# KiCad board vme-wren.kicad_pcb (continued)
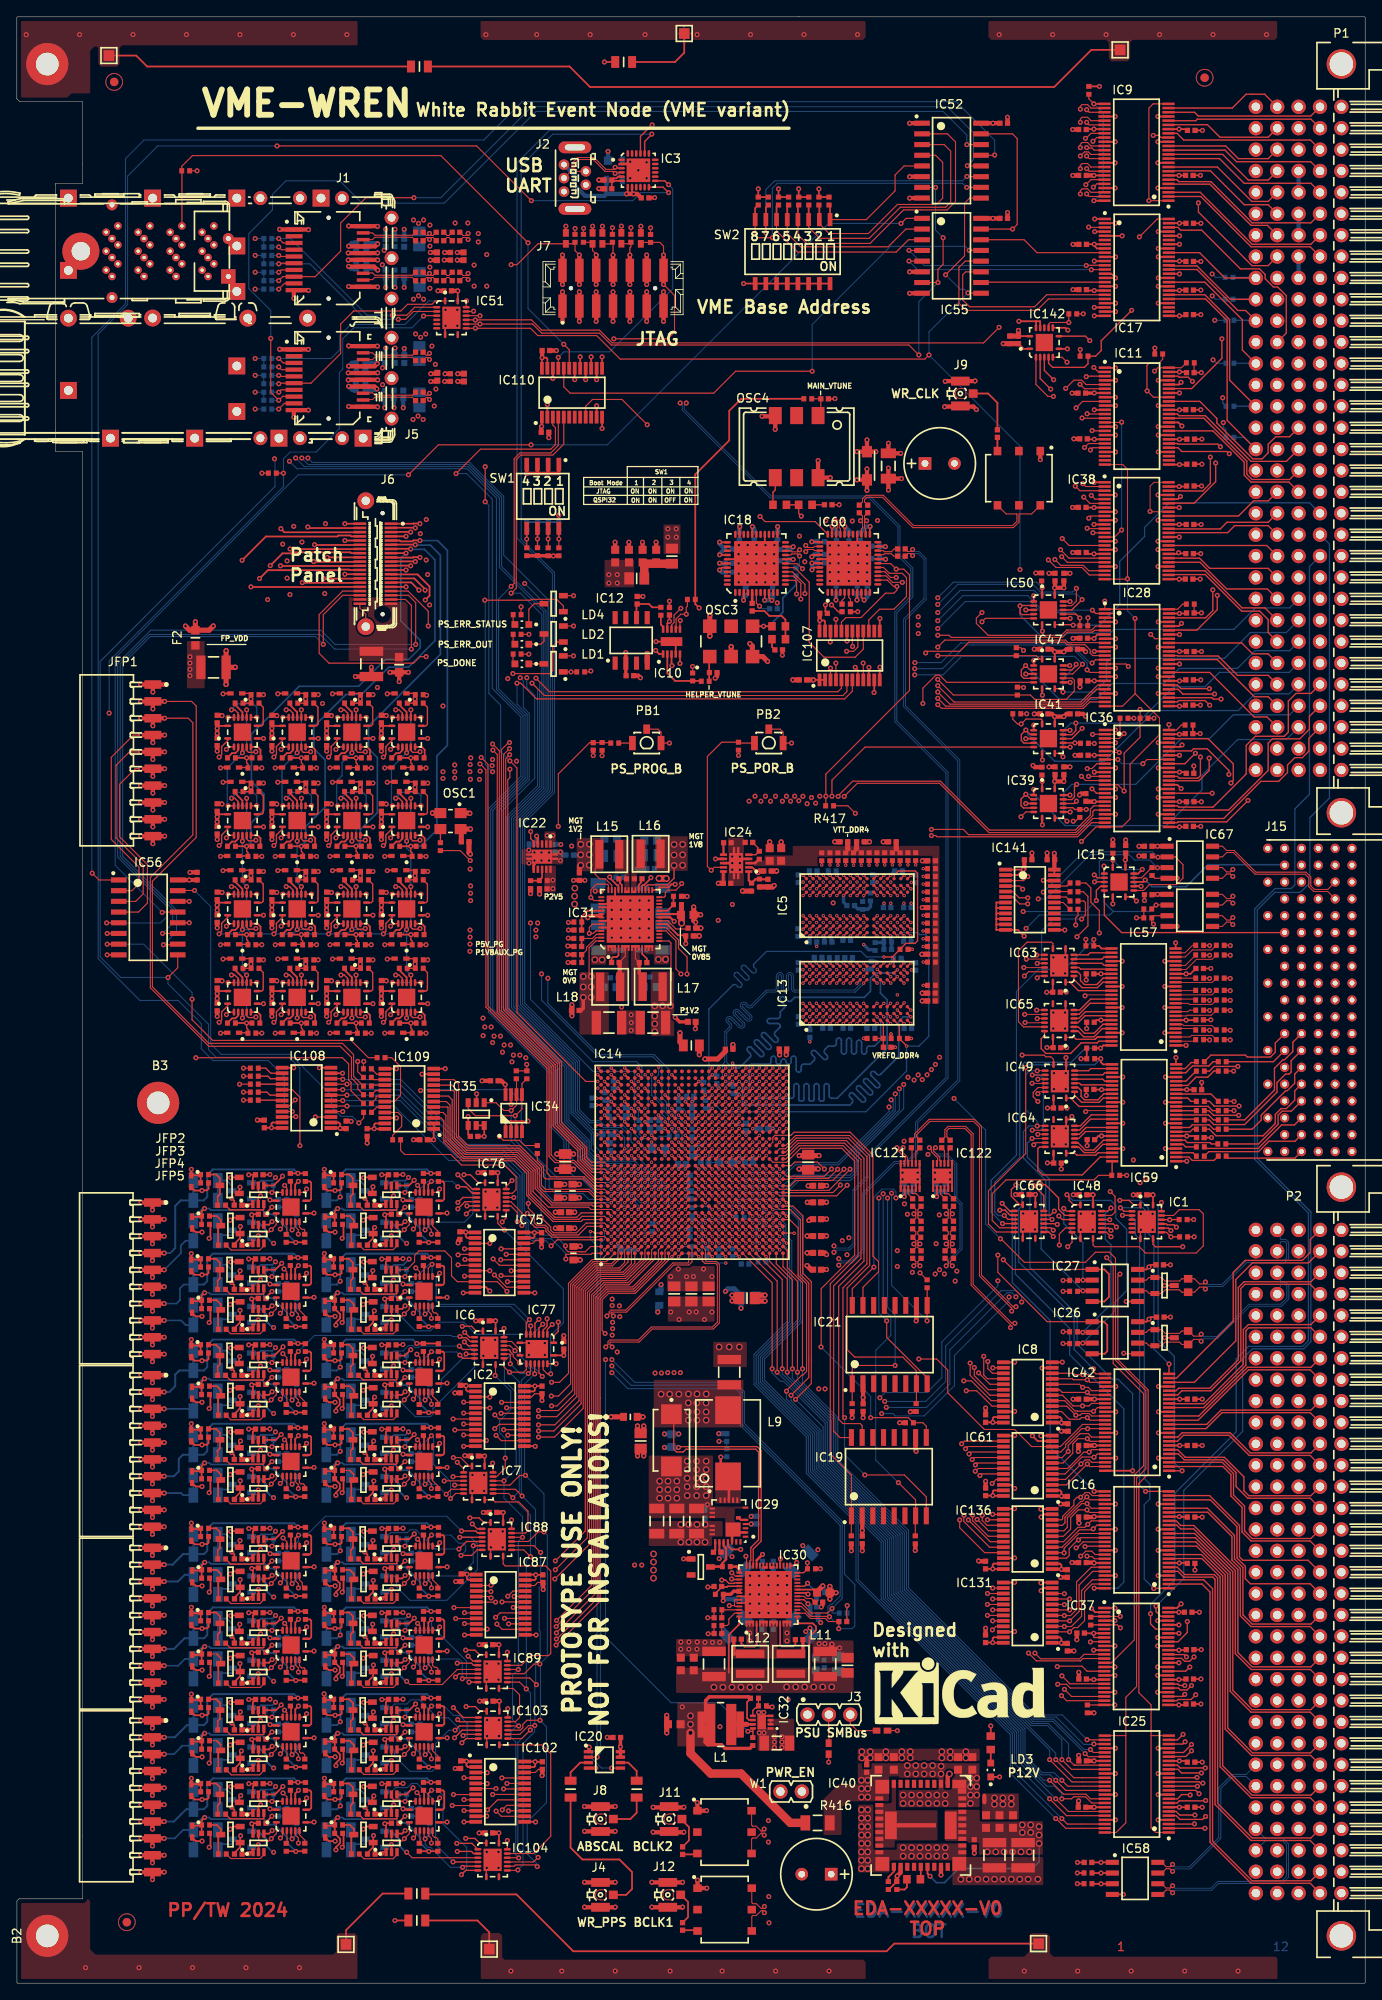
[diagram p0: board, top side]
## Routing (per net, layer and track width the routed paths; a pad name or vN(x,y) marks a point on that pad's centre or on a via; arc(x,y) is an arc through that point) (continued)
  Top Layer w0.3: v3(82.97,133.49) IC24.7 ; IC24.10 83.91,131.99 83.91,130.6 C132.2
  Top Layer w0.4: C63.1 127.94,188.79 v2(127.96,188.81) ; C268.2 71.68,29.15 v2(71.68,28.08) IC20.8 IC20.7 ; v2(53.88,137.03) 53.88,137.01 53.89,137 ; 52.68,138.9 OSC1.1 ; 79.44,124.42 v2(79.44,123.42) ; 67.94,27.49 67.94,27.99 v2(67.98,28.03)
  Top Layer w0.5: 36.79,148.14 C543.1 ; v2(43.21,72.15) 43.18,72.18 C419.2 ; C403.2 43.18,62.18 v2(43.21,62.15) ; C187.1 v2(124.35,165.67) v2(123.25,165.67) ; IC56.16 21.41,130.98 C279.1 ; 123.21,133.35 C546.1 ; 123.21,133.35 IC141.24 ; 123.21,133.35 v2(123.21,134.15) ; v2(27.42,30.04) 27.39,30.07 C463.2 ; C250.2 127.01,140.29 v2(127.96,140.29) ; v2(43.21,82.35) 43.18,82.38 C397.2 ; C512.2 v2(134.94,93.6) ; v2(43.22,30.04) 43.19,30.07 C509.2 ; C537.1 23.79,148.14 ; C464.1 v2(95.36,161.8) ; C173.1 122.93,158.39 v2(123.25,158.07) v2(124.35,158.07) 124.66,158.39 C168.1 ; C519.1 30.29,137.64 ; IC67.1 135.06,134.99 ; C531.1 23.79,127.14 ; C539.1 30.29,148.14 ; v2(49.15,191.08) 49.16,191.09 49.93,191.09 ; C459.2 v2(57.25,17.84) ; IC57.1 135.06,129.28 ; 43.29,148.14 C541.1 ; v2(43.22,50.34) 43.19,50.37 C435.2 ; C425.2 27.38,62.18 v2(27.41,62.15) ; v2(43.22,20.04) 43.19,20.07 C503.2 ; C190.2 27.38,92.38 v2(27.41,92.35) ; v2(27.41,82.35) 27.38,82.38 C210.2 ; v2(27.42,20.04) 27.39,20.07 C497.2 ; 30.29,116.64 C384.1 ; L7.1 100.96,183.23 v2(100.96,183.24) ; L7.1 99.77,181.84 v2(99.76,181.84) ; L7.1 102.01,181.84 v2(102.01,181.84) ; 51.55,191.08 v2(50.85,191.08) ; C354.1 v2(50.8,205.49) ; IC55.16 v2(115.93,209.54) C278.1 ; C142.1 v2(124.35,142.68) v2(123.25,142.68) ; 43.29,137.64 C523.1 ; C14.2 v2(56.85,78.64) ; C345.1 v2(52.36,200.93) ; C391.2 v2(120.96,93.63) ; 23.79,116.64 C386.1 ; v2(64.8,201.69) 64.8,201.69 J7.2 64.8,205.19 v2(64.8,205.19) ; C346.2 52.31,205.5 v2(52.3,205.49) ; C217.2 v2(127.81,93.61) ; 43.29,116.64 C380.1 ; C431.2 v2(57.25,40.19) ; v2(49.1,205.49) 49.11,205.5 C352.2 ; v2(27.42,50.34) 27.39,50.37 C447.2 ; C167.1 124.66,150.7 v2(124.35,150.38) v2(123.25,150.38) 122.93,150.7 C166.1 ; R264.2 v2(121.01,167.43) ; v2(43.21,92.35) 43.18,92.38 C164.2 ; C529.1 43.29,127.14 ; C533.1 30.29,127.14 ; C382.1 36.79,116.64 ; C453.2 43.19,40.37 v2(43.22,40.34) ; C517.1 36.79,137.64 ; C186.1 123.3,165.72 ; C141.1 123.3,142.73 ; C527.1 36.79,127.14 ; C413.2 27.38,72.18 v2(27.41,72.15) ; v2(120.68,144.58) 120.88,144.38 R102.2 ; C441.2 27.39,40.37 v2(27.42,40.34) ; 23.79,137.64 C521.1 ; C456.2 v2(57.3,33.49) ; C114.2 131.69,133.41 ; IC52.16 v2(115.93,220.84) C277.1 ; R260.2 v2(130.16,135.76) ; C486.1 v2(62.38,193) ; v2(52.35,190.18) 52.36,190.17 C6.2 ; C428.2 v2(57.75,55.89) ; C24.2 v2(55.55,62.59) ; C406.2 v2(57.11,96.23) ; C409.2 v2(64.95,74.54)
  Top Layer w0.6: C549.1 C548.1 v2(118.96,196.23) ; v2(53.8,138.89) 53.76,138.93 OSC1.1 ; C118.2 52.79,135.54 52.79,136.94 OSC1.4 v2(53.88,137.03) ; v2(63.95,89.64) C26.2 ; v3(93.98,94.67) C137.2 ; 83.31,130.59 83.9,130.59 ; C58.2 93.88,92.71 v3(93.88,92.71) ; 64.39,94.85 v2(65.06,94.85)
  L6PWR w0.6: 78.94,100.66 78.95,100.66 v1(79.39,100.66)
  Bottom Layer w0.125: R395.2 v2(28.3,201.14) ; 143.26,185.27 v2(143.28,185.29) 143.28,184.75 143.59,184.44 ; v2(142.26,197.44) R59.2 ; 29.33,187.9 R18.2 v2(28.3,188.9) ; 143.26,188.18 v2(143.21,188.24) ; R30.2 R254.2 v2(28.3,192.9) ; R55.2 142.36,202.54 v2(141.96,202.94) ; v2(28.3,207.14) R390.2 R389.2 ; v2(142.06,192.74) 142.46,192.34 R60.2 ; R255.2 R31.2 v2(28.3,190.9) ; v2(28.3,205.14) R391.2 R392.2 ; R17.2 v2(28.3,186.9) ; v2(28.3,203.14) R393.2 R394.2 ; R56.2 142.36,199.94 v2(141.96,200.34)
  Bottom Layer w0.15: R67.2 143.59,184.44 ; v2(143.21,188.24) 143.21,187.62 R61.2
  Bottom Layer w0.2: R388.2 49.01,62.49 48.65,62.84 C400.1 46.25,62.84 46.2,62.8 v2(45.86,62.8) 45.33,63.33 R141.2 ; R585.2 33.21,72.49 32.85,72.84 C411.1 30.45,72.84 30.4,72.8 v2(30.06,72.8) 29.53,73.33 R154.2 ; R10.2 45.33,93.53 v2(45.86,93) 46.2,93 46.25,93.04 C47.1 48.65,93.04 49.01,92.69 R6.2 ; R128.2 64.34,173.48 R7.2 v2(64.35,174.29) ; R301.2 45.34,21.22 v2(45.87,20.69) 46.21,20.69 46.26,20.74 C500.1 48.66,20.74 49.02,20.38 R594.2 ; R587.2 33.21,62.49 32.85,62.84 C423.1 30.45,62.84 30.4,62.8 v2(30.06,62.8) 29.53,63.33 R177.2 ; R155.2 45.33,73.33 v2(45.86,72.8) 46.2,72.8 46.25,72.84 C418.1 48.65,72.84 49.01,72.49 R586.2 ; R288.2 29.54,21.22 v2(30.07,20.69) 30.41,20.69 30.46,20.74 C496.1 32.86,20.74 33.22,20.38 R593.2 ; R140.2 45.33,83.53 v2(45.86,83) 46.2,83 46.25,83.04 C395.1 48.65,83.04 49.01,82.69 R203.2 ; v2(108.45,12.69) 109.2,11.94 110.18,11.94 111.85,13.61 120.63,13.61 121.4,14.39 v4(121.4,16.59) ; R196.2 29.54,41.52 v2(30.07,40.99) 30.41,40.99 30.46,41.04 C439.1 32.86,41.04 33.22,40.68 R589.2 ; R588.2 49.02,50.68 48.66,51.04 C433.1 46.26,51.04 46.21,50.99 v2(45.87,50.99) 45.34,51.52 R178.2 ; R48.2 29.53,93.53 v2(30.06,93) 30.4,93 30.45,93.04 C176.1 32.85,93.04 33.21,92.69 R197.2 ; R25.2 98.61,42.95 v2(98.61,44.84) ; R274.2 45.34,41.52 v2(45.87,40.99) 46.21,40.99 46.26,41.04 C450.1 48.66,41.04 49.02,40.68 R591.2 ; R595.2 49.02,30.38 48.66,30.74 C508.1 46.26,30.74 46.21,30.69 v2(45.87,30.69) 45.34,31.22 R302.2 ; R287.2 29.54,31.22 v2(30.07,30.69) 30.41,30.69 30.46,30.74 C460.1 32.86,30.74 33.22,30.38 R592.2 ; R273.2 29.54,51.52 v2(30.07,50.99) 30.41,50.99 30.46,51.04 C446.1 32.86,51.04 33.22,50.68 R590.2 ; R198.2 33.21,82.69 32.85,83.04 C207.1 30.45,83.04 30.4,83 v2(30.06,83) 29.53,83.53 R49.2
  Bottom Layer w0.4: C108.2 70.59,98.7 v1(70.59,98.26) ; C101.2 76.38,101.46 v1(76.99,101.46) ; R9.2 78.59,105.45 v1(78.6,105.46) ; v1(74.59,102.26) 74.99,102.26 C119.2
  Bottom Layer w0.5: 105.44,93.39 C491.1 C490.2 ; v2(93.96,45.04) 94.24,44.76 C348.2 ; v2(109.24,93.39) C297.1 C274.2 ; C213.2 64.59,135.21 v3(64.6,135.19)
  vias: v1(69.79,95.86) v1(72.19,94.26) v1(72.99,96.66) v1(77.79,99.86) v1(85.79,96.66) v1(87.39,93.46) v1(88.19,95.86) v1(90.59,95.06) v2(23.79,148.99) v2(23.79,148.39) v2(23.79,138.49) v2(23.79,137.89) v2(23.79,127.99) v2(23.79,127.39) v2(23.79,117.49) v2(23.79,116.89) v2(30.29,148.99) v2(30.29,148.39) v2(30.29,138.49) v2(30.29,137.89) v2(30.29,127.99) v2(30.29,127.39) v2(30.29,117.49) v2(30.29,116.89) v2(36.79,148.99) v2(36.79,148.39) v2(36.79,138.49) v2(36.79,137.89) v2(36.79,127.99) v2(36.79,127.39) v2(36.79,117.49) v2(36.79,116.89) v2(43.29,148.99) v2(43.29,148.39) v2(43.29,138.49) v2(43.29,137.89) v2(43.29,127.99) v2(43.29,127.39) v2(43.29,117.49) v2(43.29,116.89) v2(47.1,209.34) v2(47.1,199.94) v2(47.05,185.66) v2(47.35,195.81) v2(47.7,208.94) v2(47.7,200.34) v2(47.65,186.06) v2(47.95,195.41) v2(48.3,209.34) v2(48.3,199.94) v2(48.25,185.66) v2(48.55,195.81) v2(49.05,201.24) v2(77.31,172.69) v2(77.31,171.69) v2(78.31,172.69) v2(78.31,171.69) v2(135.46,134.99) v2(135.46,129.28) v3(62.99,136.26) v3(63.66,136.26) v3(83.31,130.59) v4(115.25,15.59) v4(116.25,15.59) v4(117.25,15.59) v4(118.25,15.59) v4(119.25,15.59) v4(119.4,18.79) v4(119.4,17.89) v4(120.25,15.59) v4(120.4,18.79) v4(120.4,17.89) v4(121.4,18.59) v4(121.4,17.59)
P3V3_CLK: length 37.9
  Top Layer w0.2: v2(100.63,164.21) 100.3,164.53 IC60.9 ; IC60.34 95.3,171.14 v2(94.4,171.14) ; IC10.5 78.75,156.69 v2(78.75,156.69) ; IC18.37 83.48,169.57 v2(83.46,169.59) ; v2(88.8,164.2) 88.83,164.22 IC18.8 ; IC18.29 87.33,172.91 v2(87.35,172.94) ; v2(94.41,169.36) 94.64,169.59 IC60.37 ; IC18.18 92.17,169.07 v2(92.2,169.04) ; v2(97.28,164.22) 97.3,164.24 IC60.3 ; v2(98.33,172.96) 98.3,172.93 IC60.29 ; v2(86.3,164.2) 86.33,164.22 IC18.3 ; IC18.9 89.33,164.51 v2(89.65,164.19) ; v2(90.35,172.94) 90.33,172.91 IC18.23 ; v2(101.33,172.96) 101.3,172.93 IC60.23 ; v2(83.46,171.09) 83.48,171.07 IC18.34 ; IC60.8 99.8,164.24 v2(99.78,164.22) ; IC60.18 103.15,169.09 v2(103.17,169.06) ; IC10.9 77.25,161.44 v2(77.5,161.69) C260.2
  Top Layer w0.4: C77.2 72.32,155.27 IC12.2 72.32,157.97 v2(72.3,157.99)
  Top Layer w0.6: 84.84,158.69 v2(84.84,158.69) OSC3.2 ; v2(82.31,162.44) 82.3,162.42 OSC3.6 82.3,159.95 v2(82.31,159.94)
  Bottom Layer w0.5: v2(90.35,172.94) 90.36,172.93 C68.2 ; C264.2 100.15,172.19 100.92,172.96 v2(101.33,172.96) ; C267.2 86.3,164.58 v2(86.3,164.2) ; v2(88.8,164.2) 89.64,164.2 v2(89.65,164.19) 89.76,164.3 C262.2 ; C258.2 99.8,164.24 v2(99.78,164.22) ; C259.2 94.69,169.64 v2(94.41,169.36) ; C256.2 101,164.58 v2(100.63,164.21) ; v2(87.35,172.94) 87.56,172.73 C69.2 ; 97.3,164.79 97.28,164.76 v2(97.28,164.22) ; v2(83.46,169.59) 83.46,169.68 C218.2 83.46,170.89 v2(83.46,171.09) ; C122.2 98.82,172.47 v2(98.33,172.96) ; C255.2 102.53,169.06 v2(103.17,169.06) ; v2(94.4,171.14) C121.2 ; C261.2 91.72,169.04 v2(92.2,169.04)
  vias: v2(70.3,167.24) v2(70.3,166.24) v2(71.3,167.24) v2(71.3,166.24)
P3V3_VME: length 54.9
  L8 w0.5: P1.D12 148.39,193.59 148.39,191.01 P1.D14 148.39,188.51 148.39,185.93 P1.D16 148.39,183.43 148.39,180.85 P1.D18 148.37,178.38 148.37,175.75 P1.D20 148.37,173.3 148.37,170.67 P1.D22 148.37,168.22 148.37,165.59 P1.D24 148.37,163.14 148.37,160.51 P1.D26 148.37,158.06 148.37,155.43 P1.D28 148.37,152.98 148.37,150.35 P1.D30
P5V_VME: length 8
  Top Layer w0.5: F1.1 v2(45.4,154.54) ; F1.1 v2(46.5,155.64) ; F1.1 v2(44.3,155.64)
  Top Layer w0.6: F2.1 v2(21.2,161.64) ; F2.1 20.52,160.64 v2(20.03,161.13) ; F2.1 22.83,160.64 v2(23.33,161.14)
  vias: v2(107.05,162.24) v2(107.05,161.24) v2(107.05,160.24) v4(100.3,24.09) v4(100.3,23.09) v4(100.3,22.09) v4(101.05,24.09) v4(101.05,23.09) v4(101.05,22.09) v4(105.25,22.34) v4(105.25,21.34) v4(105.75,25.84) v4(105.75,24.84) v4(106.25,22.34) v4(106.25,21.34) v4(106.75,25.84) v4(106.75,24.84) v4(107.25,22.34) v4(107.25,21.34) v4(107.75,25.84) v4(107.75,24.84) v4(108.25,22.34) v4(108.25,21.34) v4(108.75,25.84) v4(108.75,24.84) v4(109.25,22.34) v4(109.25,21.34) v4(109.76,25.76) v4(109.75,24.84) v4(110.25,22.34) v4(110.25,21.34) v4(113.25,24.34) v4(113.25,23.34) v4(113.25,22.34) v4(113.25,21.34) v4(114,24.34) v4(114,23.34) v4(114,22.34)
P12V: length 12.1
  Top Layer w0.15: IC32.2 IC32.3
  Top Layer w0.2: R251.1 v2(115.66,30.54) ; IC30.32 90.65,50.35 v2(90.69,50.39) ; v2(75.29,131.26) 75.29,131.19 74.46,130.35 74.32,130.35 74.25,130.29 IC31.32 ; IC31.39 71.44,129.79 71.44,130.3 71.39,130.35 71.3,130.35 70.41,131.24 v2(70.41,131.34) ; IC30.39 87.85,50.2
  Top Layer w0.3: 87.85,50.2 v2(88.55,50.9)
  Top Layer w0.8: v4(77.13,131.16) 76.28,131.16 v4(76.27,131.17) ; v4(77.05,121.57) 77.04,121.56
  Bottom Layer w0.6: v2(69.4,129.65) 69.4,130.26 C338.1 68.69,130.28 v2(68.69,129.66) ; C171.1 v4(81.73,54.46)
  vias: v2(83.41,50.4) v2(84.94,50.65) v2(87.03,41.58) v2(87.04,40.65) v2(90.86,29.26) v2(90.86,28.63) v2(90.86,27.99) v2(91.47,41.59) v2(91.47,40.64) v2(93.34,51.95) v2(93.69,41.75) v2(94.19,42.17) v2(95.14,51.46) v4(68.65,121.51) v4(69.5,121.5) v4(76.19,121.56) v4(78.85,54.46) v4(78.85,52.36) v4(79.81,54.46) v4(79.81,52.36) v4(80.77,54.46) v4(80.77,52.36) v4(81.73,52.36)
VCC_PSADC: length 16.1
  Top Layer w0.2: IC14.Y20 84.98,102.26 ; 79.4,95.07 IC14.P12
  L3 w0.2: v1(79.39,95.06) 79.8,95.47 79.8,96.9 79.79,96.91 79.79,100.83 80.82,101.86 IC14.Y20 v1(84.99,102.26)
  L3 w0.4: v1(76.99,98.26) 76.99,98.24
  Bottom Layer w0.2: 86.59,101.92 86.53,101.86 85.39,101.86 v1(84.99,102.26)
  Bottom Layer w0.4: C98.2 79.97,95.06 v1(79.39,95.06) ; L6.2 76.99,99.05 v1(76.99,98.26)
VCC_PSDDR_PLL: length 4.2
  Top Layer w0.2: IC14.U16 82.58,99.06 ; IC14.U18 82.58,100.66
  Bottom Layer w0.125: v1(82.59,99.06) 82.18,98.65 82.18,97.5 C32.2 L5.2
  vias: v1(82.59,100.66)
VCC_PSPLL: length 12
  Top Layer w0.2: 94.96,46.41 94.96,46.73 IC30.23 ; IC14.T17 81.78,99.86 ; IC14.T18 81.78,100.66 ; IC14.T16 81.78,99.06
  Top Layer w0.6: v2(84.94,81.01) 85.49,81.01 C83.2 85.46,81.69 v2(84.94,81.69) ; 94.96,46.41 v2(95.72,47.17)
  Bottom Layer w0.125: v1(81.79,99.06) 81.4,99.45 80.52,99.45 C84.2
  Bottom Layer w0.2: R206.2 95.93,46.95 v2(95.72,47.17) ; v1(81.79,99.86) IC14.T17 80.82,99.46 80.74,99.38 80.45,99.38 C84.2
  vias: v1(81.79,100.66)
/clocks/FPGA-PL_CLKSYS_N: length 124.8
  Top Layer w0.115: IC60.31 97.3,172.68 97.43,172.81 97.43,173.4 v2(97.19,173.64) ; 70.6,88.67 IC14.C4
  L3 w0.1: v1(70.59,88.66) 69.72,88.66 67.71,90.67 66.06,90.67 59.53,97.19 59.53,101.09 57.18,103.44 57.18,112.19 v2(57.43,112.44)
  L10 w0.1: v2(97.19,173.64) 97.42,173.87 97.42,174.44 96.65,175.21 85.86,175.21 81.83,171.19 81.83,158.59 78.76,155.51 71.86,155.51 61.38,145.04 61.38,144.04 57.18,139.84 57.18,112.69 v2(57.43,112.44)
/clocks/FPGA-PL_CLKSYS_P: length 127.1
  Top Layer w0.115: IC60.30 97.8,172.68 97.67,172.81 97.67,173.4 v2(97.92,173.64) ; 71.4,88.67 IC14.D4
  L3 w0.1: v1(71.39,88.66) 71.13,88.4 70.86,88.4 70.75,88.29 70.44,88.29 70.32,88.4 69.61,88.4 67.6,90.41 65.95,90.41 59.27,97.09 59.27,100.99 56.92,103.34 56.92,112.19 v2(56.67,112.44)
  L10 w0.1: v2(97.92,173.64) 97.68,173.87 97.68,174.54 96.76,175.47 85.75,175.47 81.57,171.29 81.57,158.69 78.65,155.77 71.75,155.77 61.12,145.14 61.12,144.14 56.92,139.94 56.92,112.69 v2(56.67,112.44)
/clocks/FPGA-PS_CLKREF: length 55.2
  Top Layer w0.125: v2(53.84,133.29) 52.67,134.47 R27.2
  Top Layer w0.2: IC14.R16 80.98,99.06
  L3 w0.125: v2(61,125.88) 58.57,128.31 58.57,128.62 53.9,133.29 v2(53.84,133.29)
  L5 w0.125: v1(73.8,107.06) 74.2,106.66 74.2,106.12 75.02,105.3 75.02,104.5 75.54,103.98 75.54,101.56 77.63,99.47 80.58,99.47 v1(80.99,99.06)
  Bottom Layer w0.125: v2(61,125.88) 61,116.8 68.39,109.41 73.59,109.41 74.23,108.78 74.23,107.48 v1(73.8,107.06)
/clocks/PLLDAC_OUT1: length 3.2
  Top Layer w0.125: OSC4.1 95.48,186.45 C76.2 R58.2
/clocks/PLLDAC_OUT2: length 3
  Top Layer w0.2: OSC3.1 82.22,157.44 R57.2
/clocks/TRAFO1_N: length 25
  Top Layer w0.115: C248.1 100.67,175.87 100.67,176.14 100.95,176.42 102.8,176.42 106.4,172.82 118.35,172.82 119.01,173.47 119.01,174.44 120.52,174.44 TR2.6
/clocks/TRAFO1_P: length 24.7
  Top Layer w0.115: C246.1 100.43,175.87 100.43,176.24 100.85,176.66 102.9,176.66 106.5,173.06 118.25,173.06 118.77,173.57 118.77,174.42 118.75,174.45 117.49,174.45 TR2.4
/clocks/WR_CLK_SFP_AC_N: length 2.5
  Top Layer w0.115: IC60.19 102.89,169.59 103.02,169.72 103.85,169.72 104.14,169.43 C266.2
/clocks/WR_CLK_SFP_AC_P: length 2.5
  Top Layer w0.115: C265.2 104.18,170.29 103.85,169.96 103.02,169.96 102.89,170.09 IC60.20
/DDR4-PS.A0: length 62.7
  Top Layer w0.15: IC14.W28 84.18,108.66 ; IC13.P3 v1(104.56,116.34) ; IC5.P3 v1(104.58,126.74)
  Top Layer w0.16: v1(107.63,125.86) R70.1
  L3 w0.11: v1(104.56,116.34) 104.18,116.72 104.18,118.28 arc(104.24,118.43) 104.39,118.49 104.52,118.49 arc(104.66,118.55) 104.73,118.7 arc(104.66,118.85) 104.52,118.91 104.39,118.91 arc(104.24,118.97) 104.18,119.12 104.18,120.53 arc(104.24,120.68) 104.39,120.74 104.52,120.74 arc(104.66,120.8) 104.73,120.95 arc(104.66,121.1) 104.52,121.16 104.39,121.16 arc(104.24,121.22) 104.18,121.37 arc(104.24,121.52) 104.39,121.58 104.62,121.58 arc(104.76,121.64) 104.83,121.79 arc(104.76,121.94) 104.62,122 104.39,122 arc(104.24,122.06) 104.18,122.21 arc(104.24,122.36) 104.39,122.42 104.62,122.42 arc(104.76,122.48) 104.83,122.63 arc(104.76,122.78) 104.62,122.84 104.39,122.84 arc(104.24,122.9) 104.18,123.05 arc(104.24,123.2) 104.39,123.26 104.62,123.26 arc(104.76,123.32) 104.83,123.47 arc(104.76,123.62) 104.62,123.68 104.39,123.68 arc(104.24,123.74) 104.18,123.89 IC5.P3 v1(104.58,126.74) 105.09,127.25 106.24,127.25 v1(107.63,125.86)
  L8 w0.11: v1(84.19,108.66) 84.59,108.26 84.59,103.72 84.83,103.48 86.79,103.48 87.61,102.66 92.03,102.66 arc(92.16,102.72) 92.22,102.86 arc(92.28,102.99) 92.41,103.05 92.45,103.05 arc(92.59,102.99) 92.65,102.86 92.65,102.47 arc(92.7,102.33) 92.84,102.27 92.87,102.27 arc(93.01,102.33) 93.07,102.47 93.07,102.86 arc(93.12,102.99) 93.26,103.05 93.29,103.05 arc(93.43,102.99) 93.49,102.86 93.49,102.47 arc(93.54,102.33) 93.68,102.27 93.71,102.27 arc(93.85,102.33) 93.91,102.47 93.91,102.86 arc(93.96,102.99) 94.1,103.05 94.13,103.05 arc(94.27,102.99) 94.33,102.86 94.33,102.47 arc(94.38,102.33) 94.52,102.27 94.55,102.27 arc(94.69,102.33) 94.75,102.47 94.75,102.86 arc(94.8,102.99) 94.94,103.05 94.97,103.05 arc(95.11,102.99) 95.17,102.86 95.17,102.47 arc(95.22,102.33) 95.36,102.27 95.39,102.27 arc(95.53,102.33) 95.59,102.47 95.59,102.86 arc(95.64,102.99) 95.78,103.05 95.81,103.05 arc(95.95,102.99) 96.01,102.86 96.01,102.47 arc(96.06,102.33) 96.2,102.27 96.23,102.27 arc(96.37,102.33) 96.43,102.47 96.43,102.86 arc(96.48,102.99) 96.62,103.05 96.65,103.05 arc(96.79,102.99) 96.85,102.86 arc(96.9,102.72) 97.04,102.66 97.63,102.66 103.96,108.99 103.96,111.75 104.18,111.97 104.18,115.95 v1(104.56,116.34)
/DDR4-PS.A1: length 61.4
  Top Layer w0.15: IC13.P7 104.53,119.5 v1(104.57,119.5) ; IC14.Y28 84.98,108.66 ; IC5.P7 v1(104.58,129.14)
  Top Layer w0.16: v1(103.99,132.77) R71.1
  L3 w0.11: v1(103.99,132.77) 103.99,131.88 104.98,130.89 104.98,129.54 v1(104.58,129.14)
  L8 w0.11: v1(104.57,119.5) 104.18,119.89 arc(104.13,120.01) 104.01,120.06 arc(103.9,120.11) 103.85,120.22 103.85,120.31 arc(103.9,120.43) 104.01,120.48 arc(104.13,120.53) 104.18,120.64 104.18,120.73 arc(104.23,120.87) 104.37,120.92 arc(104.5,120.98) 104.56,121.11 104.56,121.15 arc(104.5,121.29) 104.37,121.34 arc(104.23,121.4) 104.18,121.53 104.18,121.57 arc(104.23,121.71) 104.37,121.76 arc(104.5,121.82) 104.56,121.95 104.56,122 arc(104.5,122.14) 104.37,122.19 104.06,122.19 arc(103.98,122.23) 103.94,122.31 103.94,122.49 arc(103.98,122.58) 104.06,122.61 104.37,122.61 arc(104.51,122.67) 104.56,122.8 104.56,122.84 arc(104.51,122.98) 104.37,123.03 104.04,123.03 arc(103.93,123.07) 103.89,123.17 103.89,123.31 arc(103.93,123.41) 104.04,123.45 104.37,123.45 arc(104.51,123.51) 104.56,123.64 104.56,123.68 arc(104.51,123.82) 104.37,123.87 arc(104.23,123.93) 104.18,124.06 104.18,126.91 arc(104.23,127.05) 104.37,127.1 arc(104.5,127.16) 104.56,127.29 104.56,127.34 arc(104.5,127.48) 104.37,127.53 104.09,127.53 arc(104.02,127.56) 104,127.62 104,127.86 arc(104.02,127.93) 104.09,127.95 arc(104.15,127.98) 104.18,128.04 104.18,128.74 v1(104.58,129.14)
  Bottom Layer w0.2: v1(84.99,108.66) 85.8,108.66 87.09,109.95 arc(87.18,110.17) 87.09,110.38 86.81,110.66 arc(86.72,110.87) 86.81,111.08 arc(87.02,111.17) 87.23,111.08 88.22,110.09 arc(88.43,110.01) 88.65,110.09 arc(88.73,110.31) 88.65,110.52 87.66,111.51 arc(87.57,111.72) 87.66,111.93 arc(87.87,112.02) 88.08,111.93 89.07,110.94 arc(89.28,110.86) 89.49,110.94 arc(89.58,111.16) 89.49,111.37 88.5,112.36 arc(88.42,112.57) 88.5,112.78 arc(88.72,112.87) 88.93,112.78 89.92,111.79 arc(90.13,111.7) 90.34,111.79 arc(90.43,112) 90.34,112.22 90.06,112.5 arc(89.97,112.71) 90.06,112.92 90.67,113.53 90.67,113.64 arc(90.58,113.85) 90.37,113.94 89.41,113.94 arc(89.2,114.03) 89.11,114.24 arc(89.2,114.45) 89.41,114.54 90.37,114.54 arc(90.58,114.63) 90.67,114.84 90.67,115.33 91.13,115.79 arc(91.22,116.01) 91.13,116.22 90.73,116.62 arc(90.65,116.83) 90.73,117.04 arc(90.95,117.13) 91.16,117.04 91.55,116.64 arc(91.77,116.55) 91.98,116.64 92.38,117.05 100.65,117.05 101.38,117.77 101.38,119.32 102,119.94 104.13,119.94 v1(104.57,119.5)
/DDR4-PS.A2: length 63
  Top Layer w0.15: v1(105.38,116.39) 105.38,116.35 IC13.R3 ; IC14.AB28 86.58,108.66 ; IC5.R3 v1(105.38,126.74)
  Top Layer w0.16: v1(107.64,124.01) R72.1
  L3 w0.11: v1(105.38,116.39) 105.8,116.82 105.8,118.34 arc(105.87,118.49) 106.01,118.55 106.21,118.55 arc(106.36,118.61) 106.42,118.76 arc(106.36,118.91) 106.21,118.97 106.01,118.97 arc(105.87,119.03) 105.8,119.18 arc(105.87,119.33) 106.01,119.39 106.21,119.39 arc(106.36,119.45) 106.42,119.6 arc(106.36,119.75) 106.21,119.81 106.01,119.81 arc(105.87,119.87) 105.8,120.02 105.8,120.49 105.58,120.71 105.28,120.71 104.98,121.01 104.98,121.28 arc(105.04,121.43) 105.19,121.49 105.29,121.49 arc(105.44,121.55) 105.5,121.7 arc(105.44,121.85) 105.29,121.91 105.19,121.91 arc(105.04,121.97) 104.98,122.12 arc(105.04,122.27) 105.19,122.33 105.29,122.33 arc(105.44,122.39) 105.5,122.54 arc(105.44,122.69) 105.29,122.75 105.19,122.75 arc(105.04,122.81) 104.98,122.96 arc(105.04,123.11) 105.19,123.17 105.29,123.17 arc(105.44,123.23) 105.5,123.38 arc(105.44,123.53) 105.29,123.59 105.19,123.59 arc(105.04,123.65) 104.98,123.8 IC5.R3 v1(105.38,126.74) 105.99,126.74 106.97,125.76 106.97,124.34 107.25,124.06 107.59,124.06 v1(107.64,124.01)
  L10 w0.11: v1(105.38,116.39) 104.92,115.94 104.35,115.94 104.15,115.74 104.15,115.38 103.92,115.15 101.69,115.15 101.18,115.66 101.18,116.26 100.39,117.06 97.54,117.06 96.15,118.45 96.15,121.3 95.71,121.74 91.6,121.74 91.23,121.36 arc(91.17,121.22) 91.23,121.07 91.28,121.01 arc(91.34,120.87) 91.28,120.72 arc(91.13,120.66) 90.98,120.72 90.58,121.12 arc(90.43,121.18) 90.29,121.12 arc(90.22,120.97) 90.29,120.82 90.69,120.42 arc(90.75,120.27) 90.69,120.12 arc(90.54,120.06) 90.39,120.12 89.99,120.53 arc(89.84,120.59) 89.69,120.53 arc(89.63,120.38) 89.69,120.23 90.09,119.83 arc(90.16,119.68) 90.09,119.53 arc(89.95,119.47) 89.8,119.53 89.39,119.93 arc(89.25,119.99) 89.1,119.93 arc(89.04,119.78) 89.1,119.63 89.5,119.23 arc(89.56,119.08) 89.5,118.94 arc(89.35,118.87) 89.2,118.94 88.8,119.34 arc(88.65,119.4) 88.5,119.34 arc(88.44,119.19) 88.5,119.04 88.91,118.64 arc(88.97,118.49) 88.91,118.34 arc(88.76,118.28) 88.61,118.34 88.56,118.39 arc(88.41,118.46) 88.26,118.39 87.78,117.91 87.78,109.85 v1(86.59,108.66)
/DDR4-PS.A3: length 62.8
  Top Layer w0.125: v1(85,109.24) 85.39,108.85 IC14.AA28
  Top Layer w0.15: IC5.N7 v1(103.78,129.14) ; v1(103.79,118.74) 103.39,119.14 IC13.N7
  Top Layer w0.16: v1(102.15,132.77) R73.1
  L5 w0.11: v1(103.78,129.14) IC5.N7 103.38,130.11 103.12,130.37 102.82,130.37 102.62,130.58 102.62,132.3 v1(102.15,132.77)
  L8 w0.11: v1(103.78,129.14) 103.37,128.73 103.37,123.71 arc(103.41,123.62) 103.5,123.58 arc(103.59,123.54) 103.63,123.45 103.63,123.29 arc(103.59,123.2) 103.5,123.16 103.16,123.16 arc(103.01,123.1) 102.95,122.95 arc(103.01,122.8) 103.16,122.74 103.53,122.74 arc(103.64,122.7) 103.68,122.59 103.68,122.45 arc(103.64,122.34) 103.53,122.3 arc(103.42,122.25) 103.37,122.15 arc(103.44,122) 103.58,121.94 103.64,121.94 arc(103.78,121.87) 103.85,121.73 arc(103.78,121.58) 103.64,121.52 103.58,121.52 arc(103.44,121.45) 103.37,121.31 103.37,120.84 arc(103.31,120.69) 103.16,120.63 103.11,120.63 arc(102.96,120.56) 102.9,120.42 arc(102.96,120.27) 103.11,120.21 103.51,120.21 arc(103.6,120.17) 103.64,120.07 103.64,119.92 arc(103.6,119.82) 103.51,119.79 103.11,119.79 arc(102.96,119.72) 102.9,119.58 arc(102.96,119.43) 103.11,119.37 103.16,119.37 arc(103.31,119.3) 103.37,119.16 v1(103.79,118.74)
  L10 w0.11: v1(103.79,118.74) 103.38,119.15 102.82,119.15 102.55,118.87 102.55,118.57 102.32,118.35 101.9,118.35 101.21,119.04 101.21,119.64 100.9,119.95 100.4,119.95 100.17,120.17 100.17,122.12 98.81,123.49 88.6,123.49 85.4,120.29 85.4,116.97 arc(85.35,116.84) 85.22,116.78 arc(85.08,116.73) 85.03,116.59 85.03,116.55 arc(85.08,116.42) 85.22,116.36 85.49,116.36 arc(85.56,116.33) 85.58,116.27 85.58,116.03 arc(85.56,115.97) 85.49,115.94 85.22,115.94 arc(85.08,115.89) 85.03,115.75 85.03,115.71 arc(85.08,115.58) 85.22,115.52 85.59,115.52 arc(85.73,115.47) 85.78,115.33 85.78,115.29 arc(85.73,115.16) 85.59,115.1 85.22,115.1 arc(85.08,115.05) 85.03,114.91 85.03,114.87 arc(85.08,114.74) 85.22,114.68 85.59,114.68 arc(85.73,114.63) 85.78,114.49 85.78,114.45 arc(85.73,114.32) 85.59,114.26 85.22,114.26 arc(85.08,114.21) 85.03,114.07 85.03,114.03 arc(85.08,113.9) 85.22,113.84 85.59,113.84 arc(85.73,113.79) 85.78,113.65 85.78,113.61 arc(85.73,113.48) 85.59,113.42 85.22,113.42 arc(85.08,113.37) 85.03,113.23 85.03,113.19 arc(85.08,113.06) 85.22,113 85.59,113 arc(85.72,112.95) 85.78,112.81 85.78,112.75 arc(85.72,112.62) 85.59,112.57 arc(85.46,112.51) 85.4,112.38 85.4,112.04 85.85,111.59 85.85,110.09 v1(85,109.24)
/DDR4-PS.A4: length 64.2
  Top Layer w0.15: IC5.N3 v1(103.78,126.74) ; IC14.Y27 84.98,107.86 ; IC13.N3 v1(103.76,116.34)
  Top Layer w0.16: v1(107.64,128.64) R74.1
  L3 w0.11: v1(107.64,128.64) 107.23,128.64 106.31,127.72 104.09,127.72 103.78,127.41 v1(103.78,126.74) IC5.N3 103.38,123.99 arc(103.44,123.84) 103.59,123.78 103.8,123.78 arc(103.95,123.71) 104.01,123.57 arc(103.95,123.42) 103.8,123.36 103.59,123.36 arc(103.44,123.29) 103.38,123.15 arc(103.44,123) 103.59,122.94 103.8,122.94 arc(103.95,122.87) 104.01,122.73 arc(103.95,122.58) 103.8,122.52 103.59,122.52 arc(103.44,122.45) 103.38,122.31 arc(103.44,122.16) 103.59,122.1 103.8,122.1 arc(103.95,122.03) 104.01,121.89 arc(103.95,121.74) 103.8,121.68 103.59,121.68 arc(103.44,121.61) 103.38,121.47 103.38,118.18 arc(103.44,118.03) 103.59,117.97 103.7,117.97 arc(103.85,117.9) 103.91,117.76 arc(103.85,117.61) 103.7,117.55 103.06,117.55 arc(102.91,117.48) 102.85,117.34 arc(102.91,117.19) 103.06,117.13 103.17,117.13 arc(103.32,117.06) 103.38,116.92 103.38,116.72 v1(103.76,116.34)
  L8 w0.11: v1(103.76,116.34) 103.38,115.95 103.38,109.6 101.98,108.21 arc(101.92,108.06) 101.98,107.91 102,107.89 arc(102.06,107.74) 102,107.59 arc(101.85,107.53) 101.7,107.59 101.33,107.96 arc(101.18,108.03) 101.04,107.96 arc(100.97,107.82) 101.04,107.67 101.41,107.29 arc(101.47,107.15) 101.41,107 arc(101.26,106.94) 101.11,107 100.74,107.37 arc(100.59,107.43) 100.44,107.37 arc(100.38,107.22) 100.44,107.07 100.81,106.7 arc(100.88,106.55) 100.81,106.4 arc(100.67,106.34) 100.52,106.4 100.14,106.78 arc(100,106.84) 99.85,106.78 arc(99.79,106.63) 99.85,106.48 100.22,106.11 arc(100.28,105.96) 100.22,105.81 arc(100.07,105.75) 99.92,105.81 99.55,106.18 arc(99.4,106.24) 99.25,106.18 arc(99.19,106.03) 99.25,105.89 99.63,105.51 arc(99.69,105.36) 99.63,105.22 arc(99.48,105.15) 99.33,105.22 98.96,105.59 arc(98.81,105.65) 98.66,105.59 arc(98.6,105.44) 98.66,105.29 99.03,104.92 arc(99.09,104.77) 99.03,104.62 arc(98.88,104.56) 98.73,104.62 98.36,104.99 arc(98.21,105.06) 98.07,104.99 arc(98,104.85) 98.07,104.7 98.47,104.29 arc(98.53,104.14) 98.47,103.99 arc(98.32,103.93) 98.18,103.99 97.77,104.4 arc(97.62,104.46) 97.47,104.4 arc(97.41,104.25) 97.47,104.1 97.53,104.05 arc(97.59,103.9) 97.53,103.75 97.24,103.46 87.6,103.46 86.77,104.29 85.65,104.29 85.39,104.55 85.39,107.46 v1(84.99,107.86)
